# KiCad board ae89fa26-SparkFun_Thing_Plus_ESP32-S3_panelized.kicad_pcb (continued)
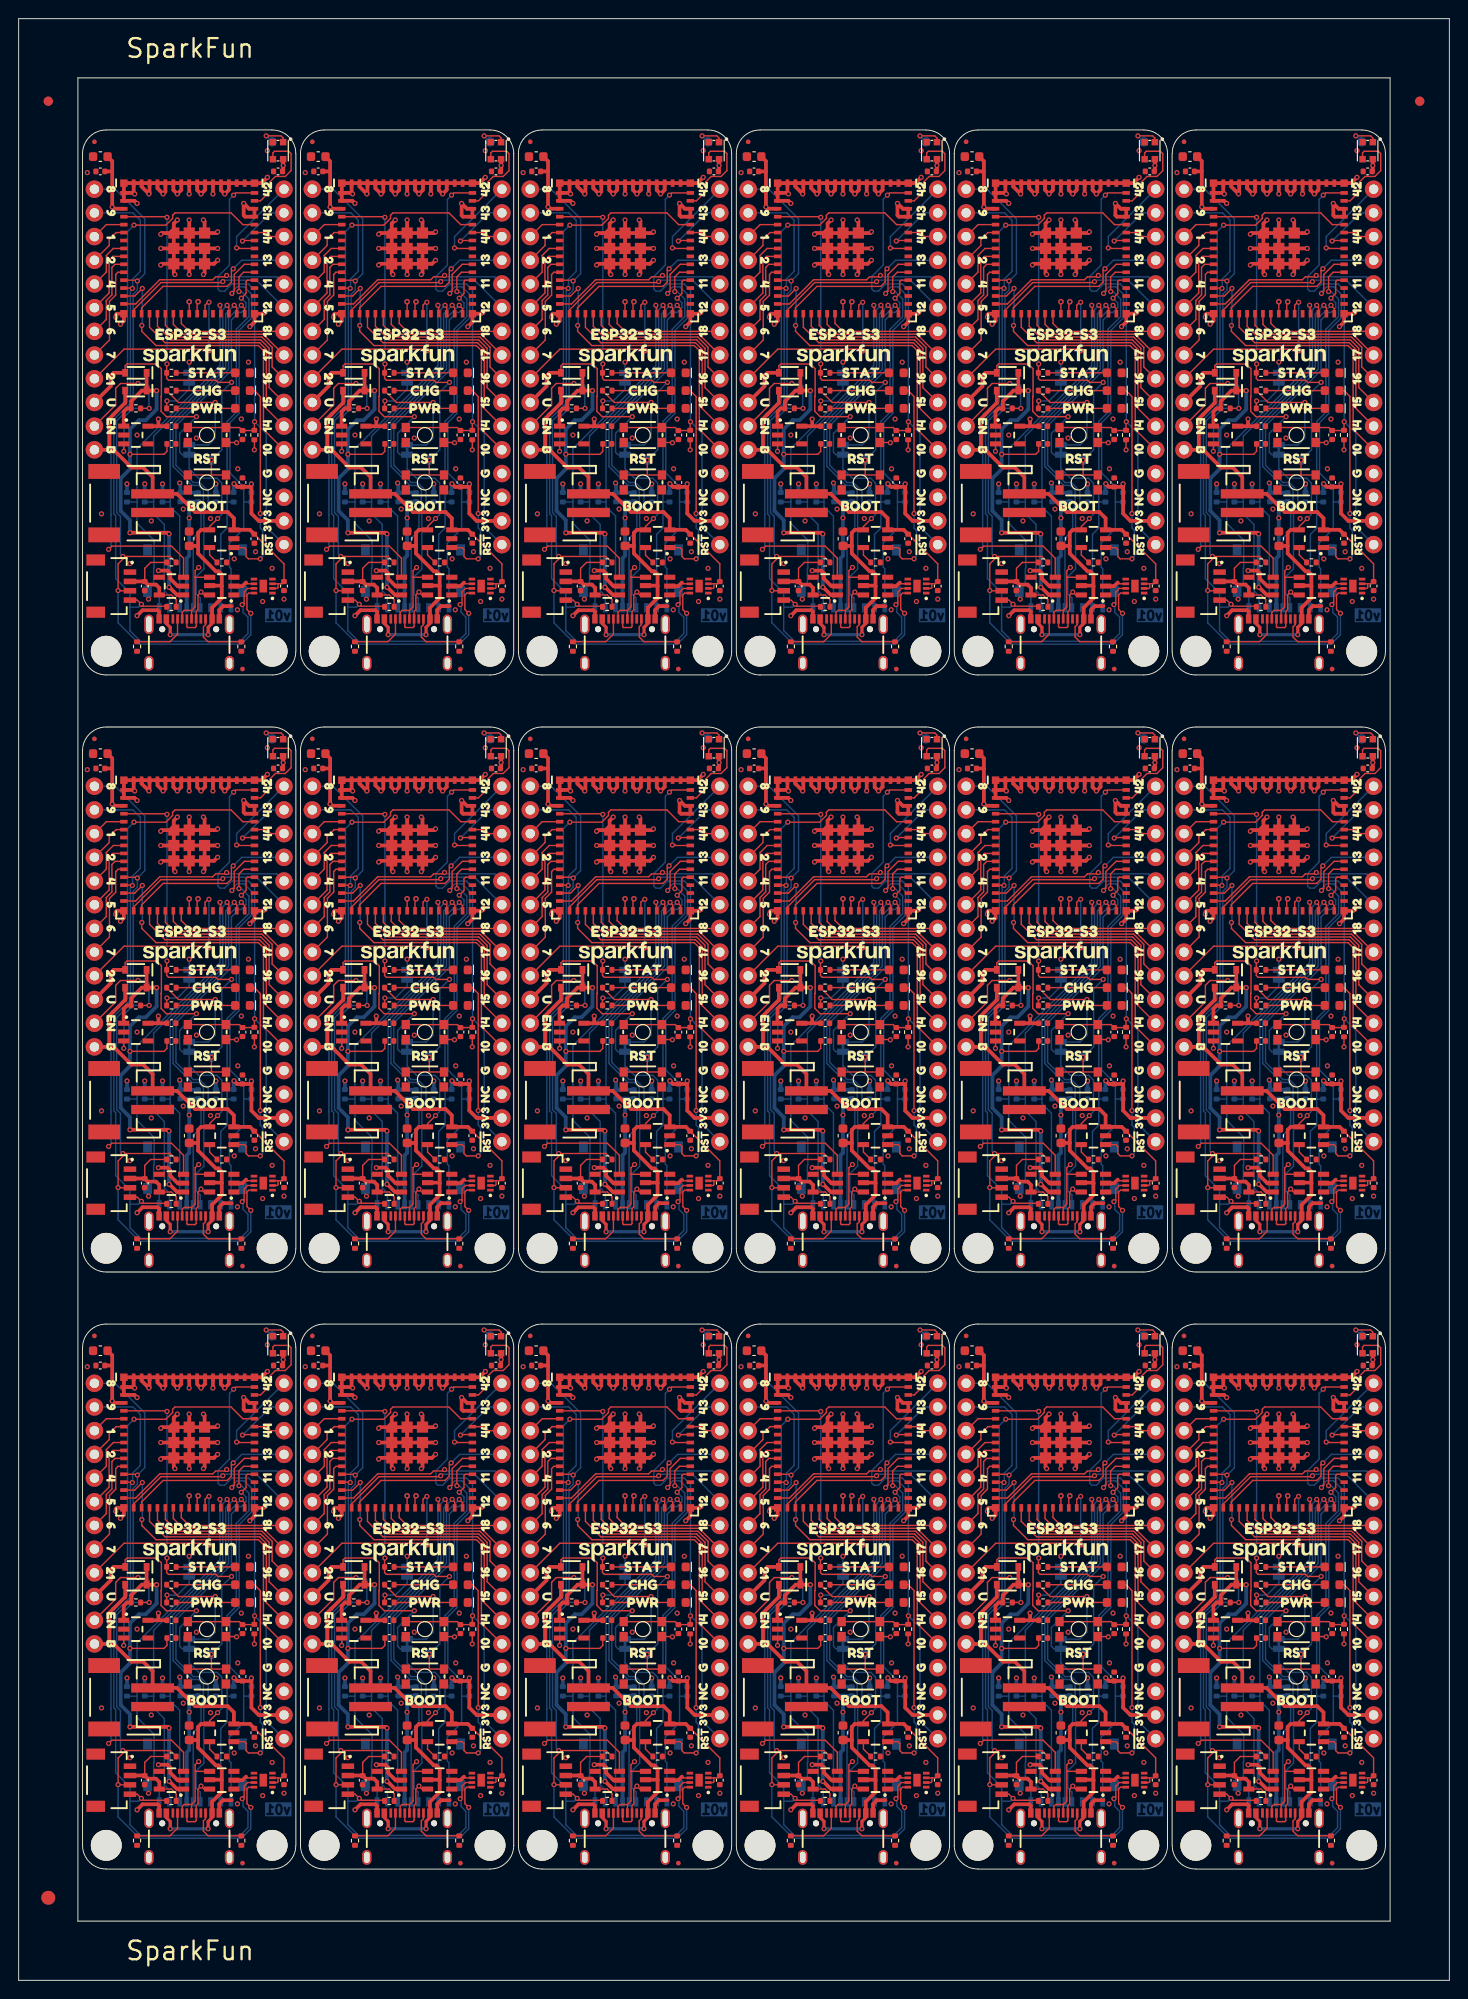
[diagram p0: board, top side]
## Placement (name value [footprint] x y rotation side) (continued)
R3#5  10k  [R_0402_1005Metric]  23.04 94.98 270 bottom
R3#6  10k  [R_0402_1005Metric]  46.4 30.98 270 bottom
R3#7  10k  [R_0402_1005Metric]  46.4 158.98 270 bottom
R3#8  10k  [R_0402_1005Metric]  93.12 30.98 270 bottom
R3#9  10k  [R_0402_1005Metric]  93.12 158.98 270 bottom
R3#10  10k  [R_0402_1005Metric]  69.76 158.98 270 bottom
R3#11  10k  [R_0402_1005Metric]  46.4 94.98 270 bottom
R3#12  10k  [R_0402_1005Metric]  23.04 158.98 270 bottom
R3#13  10k  [R_0402_1005Metric]  116.48 30.98 270 bottom
R3#14  10k  [R_0402_1005Metric]  93.12 94.98 270 bottom
R3#15  10k  [R_0402_1005Metric]  116.48 94.98 270 bottom
R3#16  10k  [R_0402_1005Metric]  116.48 158.98 270 bottom
R3#17  10k  [R_0402_1005Metric]  139.84 94.98 270 bottom
R3#18  10k  [R_0402_1005Metric]  23.04 30.98 270 bottom
R4  10k  [R_0402_1005Metric]  71.67 30.98 270 bottom
R4#2  10k  [R_0402_1005Metric]  24.95 158.98 270 bottom
R4#3  10k  [R_0402_1005Metric]  48.31 158.98 270 bottom
R4#4  10k  [R_0402_1005Metric]  48.31 30.98 270 bottom
R4#5  10k  [R_0402_1005Metric]  24.95 94.98 270 bottom
R4#6  10k  [R_0402_1005Metric]  48.31 94.98 270 bottom
R4#7  10k  [R_0402_1005Metric]  71.67 94.98 270 bottom
R4#8  10k  [R_0402_1005Metric]  71.67 158.98 270 bottom
R4#9  10k  [R_0402_1005Metric]  95.03 30.98 270 bottom
R4#10  10k  [R_0402_1005Metric]  95.03 94.98 270 bottom
R4#11  10k  [R_0402_1005Metric]  118.39 30.98 270 bottom
R4#12  10k  [R_0402_1005Metric]  95.03 158.98 270 bottom
R4#13  10k  [R_0402_1005Metric]  118.39 94.98 270 bottom
R4#14  10k  [R_0402_1005Metric]  118.39 158.98 270 bottom
R4#15  10k  [R_0402_1005Metric]  141.75 30.98 270 bottom
R4#16  10k  [R_0402_1005Metric]  141.75 94.98 270 bottom
R4#17  10k  [R_0402_1005Metric]  141.75 158.98 270 bottom
R4#18  10k  [R_0402_1005Metric]  24.95 30.98 270 bottom
R5  10k  [R_0402_1005Metric]  11.61 94.98 270 bottom
R5#2  10k  [R_0402_1005Metric]  128.41 30.98 270 bottom
R5#3  10k  [R_0402_1005Metric]  11.61 158.98 270 bottom
R5#4  10k  [R_0402_1005Metric]  34.97 30.98 270 bottom
R5#5  10k  [R_0402_1005Metric]  34.97 158.98 270 bottom
R5#6  10k  [R_0402_1005Metric]  34.97 94.98 270 bottom
R5#7  10k  [R_0402_1005Metric]  58.33 30.98 270 bottom
R5#8  10k  [R_0402_1005Metric]  58.33 158.98 270 bottom
R5#9  10k  [R_0402_1005Metric]  105.05 30.98 270 bottom
R5#10  10k  [R_0402_1005Metric]  105.05 158.98 270 bottom
R5#11  10k  [R_0402_1005Metric]  58.33 94.98 270 bottom
R5#12  10k  [R_0402_1005Metric]  81.69 94.98 270 bottom
R5#13  10k  [R_0402_1005Metric]  81.69 158.98 270 bottom
R5#14  10k  [R_0402_1005Metric]  105.05 94.98 270 bottom
R5#15  10k  [R_0402_1005Metric]  81.69 30.98 270 bottom
R5#16  10k  [R_0402_1005Metric]  128.41 158.98 270 bottom
R5#17  10k  [R_0402_1005Metric]  128.41 94.98 270 bottom
R5#18  10k  [R_0402_1005Metric]  11.61 30.98 270 bottom
R6  10k  [R_0402_1005Metric]  106.96 158.98 270 bottom
R6#2  10k  [R_0402_1005Metric]  130.32 94.98 270 bottom
R6#3  10k  [R_0402_1005Metric]  83.6 30.98 270 bottom
R6#4  10k  [R_0402_1005Metric]  36.88 158.98 270 bottom
R6#5  10k  [R_0402_1005Metric]  130.32 158.98 270 bottom
R6#6  10k  [R_0402_1005Metric]  60.24 94.98 270 bottom
R6#7  10k  [R_0402_1005Metric]  106.96 30.98 270 bottom
R6#8  10k  [R_0402_1005Metric]  130.32 30.98 270 bottom
R6#9  10k  [R_0402_1005Metric]  83.6 94.98 270 bottom
R6#10  10k  [R_0402_1005Metric]  60.24 30.98 270 bottom
R6#11  10k  [R_0402_1005Metric]  60.24 158.98 270 bottom
R6#12  10k  [R_0402_1005Metric]  106.96 94.98 270 bottom
R6#13  10k  [R_0402_1005Metric]  83.6 158.98 270 bottom
R6#14  10k  [R_0402_1005Metric]  13.52 158.98 270 bottom
R6#15  10k  [R_0402_1005Metric]  36.88 94.98 270 bottom
R6#16  10k  [R_0402_1005Metric]  13.52 94.98 270 bottom
R6#17  10k  [R_0402_1005Metric]  36.88 30.98 270 bottom
R6#18  10k  [R_0402_1005Metric]  13.52 30.98 270 bottom
R7  330  [R_0402_1005Metric]  86.46 44.32 0 top
R7#2  330  [R_0402_1005Metric]  63.09 108.32 0 top
R7#3  330  [R_0402_1005Metric]  63.09 172.32 0 top
R7#4  330  [R_0402_1005Metric]  16.38 172.32 0 top
R7#5  330  [R_0402_1005Metric]  39.74 172.32 0 top
R7#6  330  [R_0402_1005Metric]  86.46 108.32 0 top
R7#7  330  [R_0402_1005Metric]  109.81 44.32 0 top
R7#8  330  [R_0402_1005Metric]  16.38 108.32 0 top
R7#9  330  [R_0402_1005Metric]  39.74 108.32 0 top
R7#10  330  [R_0402_1005Metric]  39.74 44.32 0 top
R7#11  330  [R_0402_1005Metric]  63.09 44.32 0 top
R7#12  330  [R_0402_1005Metric]  109.81 108.32 0 top
R7#13  330  [R_0402_1005Metric]  133.18 44.32 0 top
R7#14  330  [R_0402_1005Metric]  86.46 172.32 0 top
R7#15  330  [R_0402_1005Metric]  109.81 172.32 0 top
R7#16  330  [R_0402_1005Metric]  133.18 108.32 0 top
R7#17  330  [R_0402_1005Metric]  133.18 172.32 0 top
R7#18  330  [R_0402_1005Metric]  16.38 44.32 0 top
R8  10k  [R_0402_1005Metric]  25.27 165.65 90 top
R8#2  10k  [R_0402_1005Metric]  95.34 37.65 90 top
R8#3  10k  [R_0402_1005Metric]  25.27 101.65 90 top
R8#4  10k  [R_0402_1005Metric]  48.62 37.65 90 top
R8#5  10k  [R_0402_1005Metric]  48.62 101.65 90 top
R8#6  10k  [R_0402_1005Metric]  48.62 165.65 90 top
R8#7  10k  [R_0402_1005Metric]  71.99 37.65 90 top
R8#8  10k  [R_0402_1005Metric]  71.99 101.65 90 top
R8#9  10k  [R_0402_1005Metric]  71.99 165.65 90 top
R8#10  10k  [R_0402_1005Metric]  142.06 165.65 90 top
R8#11  10k  [R_0402_1005Metric]  118.71 101.65 90 top
R8#12  10k  [R_0402_1005Metric]  118.71 37.65 90 top
R8#13  10k  [R_0402_1005Metric]  142.06 37.65 90 top
R8#14  10k  [R_0402_1005Metric]  142.06 101.65 90 top
R8#15  10k  [R_0402_1005Metric]  95.34 101.65 90 top
R8#16  10k  [R_0402_1005Metric]  95.34 165.65 90 top
R8#17  10k  [R_0402_1005Metric]  118.71 165.65 90 top
R8#18  10k  [R_0402_1005Metric]  25.27 37.65 90 top
R9  4.7k  [R_0402_1005Metric]  109.81 104.51 0 top
R9#2  4.7k  [R_0402_1005Metric]  86.46 40.51 0 top
R9#3  4.7k  [R_0402_1005Metric]  133.18 40.51 0 top
R9#4  4.7k  [R_0402_1005Metric]  39.74 168.51 0 top
R9#5  4.7k  [R_0402_1005Metric]  39.74 40.51 0 top
R9#6  4.7k  [R_0402_1005Metric]  63.09 168.51 0 top
R9#7  4.7k  [R_0402_1005Metric]  109.81 40.51 0 top
R9#8  4.7k  [R_0402_1005Metric]  86.46 104.51 0 top
R9#9  4.7k  [R_0402_1005Metric]  109.81 168.51 0 top
R9#10  4.7k  [R_0402_1005Metric]  133.18 168.51 0 top
R9#11  4.7k  [R_0402_1005Metric]  16.38 104.51 0 top
R9#12  4.7k  [R_0402_1005Metric]  16.38 168.51 0 top
R9#13  4.7k  [R_0402_1005Metric]  39.74 104.51 0 top
R9#14  4.7k  [R_0402_1005Metric]  133.18 104.51 0 top
R9#15  4.7k  [R_0402_1005Metric]  63.09 40.51 0 top
R9#16  4.7k  [R_0402_1005Metric]  63.09 104.51 0 top
R9#17  4.7k  [R_0402_1005Metric]  86.46 168.51 0 top
R9#18  4.7k  [R_0402_1005Metric]  16.38 40.51 0 top
R10  5.1k  [R_0402_1005Metric]  70.59 142.98 90 top
R10#2  5.1k  [R_0402_1005Metric]  70.59 14.98 90 top
R10#3  5.1k  [R_0402_1005Metric]  140.67 14.98 90 top
R10#4  5.1k  [R_0402_1005Metric]  93.95 14.98 90 top
R10#5  5.1k  [R_0402_1005Metric]  23.87 142.98 90 top
R10#6  5.1k  [R_0402_1005Metric]  47.23 78.98 90 top
R10#7  5.1k  [R_0402_1005Metric]  93.95 78.98 90 top
R10#8  5.1k  [R_0402_1005Metric]  140.67 78.98 90 top
R10#9  5.1k  [R_0402_1005Metric]  140.67 142.98 90 top
R10#10  5.1k  [R_0402_1005Metric]  23.87 78.98 90 top
R10#11  5.1k  [R_0402_1005Metric]  47.23 14.98 90 top
R10#12  5.1k  [R_0402_1005Metric]  70.59 78.98 90 top
R10#13  5.1k  [R_0402_1005Metric]  117.31 78.98 90 top
R10#14  5.1k  [R_0402_1005Metric]  47.23 142.98 90 top
R10#15  5.1k  [R_0402_1005Metric]  93.95 142.98 90 top
R10#16  5.1k  [R_0402_1005Metric]  117.31 142.98 90 top
R10#17  5.1k  [R_0402_1005Metric]  117.31 14.98 90 top
R10#18  5.1k  [R_0402_1005Metric]  23.87 14.98 90 top
R11  5.1k  [R_0402_1005Metric]  129.49 142.98 270 top
R11#2  5.1k  [R_0402_1005Metric]  12.69 78.98 270 top
R11#3  5.1k  [R_0402_1005Metric]  59.41 142.98 270 top
R11#4  5.1k  [R_0402_1005Metric]  59.41 78.98 270 top
R11#5  5.1k  [R_0402_1005Metric]  106.13 78.98 270 top
R11#6  5.1k  [R_0402_1005Metric]  129.49 78.98 270 top
R11#7  5.1k  [R_0402_1005Metric]  82.77 14.98 270 top
R11#8  5.1k  [R_0402_1005Metric]  36.05 78.98 270 top
R11#9  5.1k  [R_0402_1005Metric]  106.13 14.98 270 top
R11#10  5.1k  [R_0402_1005Metric]  59.41 14.98 270 top
R11#11  5.1k  [R_0402_1005Metric]  36.05 14.98 270 top
R11#12  5.1k  [R_0402_1005Metric]  12.69 142.98 270 top
R11#13  5.1k  [R_0402_1005Metric]  82.77 78.98 270 top
R11#14  5.1k  [R_0402_1005Metric]  82.77 142.98 270 top
R11#15  5.1k  [R_0402_1005Metric]  106.13 142.98 270 top
R11#16  5.1k  [R_0402_1005Metric]  129.49 14.98 270 top
R11#17  5.1k  [R_0402_1005Metric]  36.05 142.98 270 top
R11#18  5.1k  [R_0402_1005Metric]  12.69 14.98 270 top
R12  2.2k  [R_0402_1005Metric]  16.38 19.23 180 top
R12#2  2.2k  [R_0402_1005Metric]  109.81 83.23 180 top
R12#3  2.2k  [R_0402_1005Metric]  133.18 147.23 180 top
R12#4  2.2k  [R_0402_1005Metric]  16.38 83.23 180 top
R12#5  2.2k  [R_0402_1005Metric]  63.09 147.23 180 top
R12#6  2.2k  [R_0402_1005Metric]  39.74 19.23 180 top
R12#7  2.2k  [R_0402_1005Metric]  63.09 19.23 180 top
R12#8  2.2k  [R_0402_1005Metric]  109.81 19.23 180 top
R12#9  2.2k  [R_0402_1005Metric]  86.46 19.23 180 top
R12#10  2.2k  [R_0402_1005Metric]  39.74 83.23 180 top
R12#11  2.2k  [R_0402_1005Metric]  109.81 147.23 180 top
R12#12  2.2k  [R_0402_1005Metric]  86.46 83.23 180 top
R12#13  2.2k  [R_0402_1005Metric]  63.09 83.23 180 top
R12#14  2.2k  [R_0402_1005Metric]  133.18 19.23 180 top
R12#15  2.2k  [R_0402_1005Metric]  16.38 147.23 180 top
R12#16  2.2k  [R_0402_1005Metric]  86.46 147.23 180 top
R12#17  2.2k  [R_0402_1005Metric]  39.74 147.23 180 top
R12#18  2.2k  [R_0402_1005Metric]  133.18 83.23 180 top
R13  100k  [R_0402_1005Metric]  12.56 104.51 0 top
R13#2  100k  [R_0402_1005Metric]  12.56 168.51 0 top
R13#3  100k  [R_0402_1005Metric]  35.93 40.51 0 top
R13#4  100k  [R_0402_1005Metric]  35.93 104.51 0 top
R13#5  100k  [R_0402_1005Metric]  35.93 168.51 0 top
R13#6  100k  [R_0402_1005Metric]  59.28 40.51 0 top
R13#7  100k  [R_0402_1005Metric]  59.28 104.51 0 top
R13#8  100k  [R_0402_1005Metric]  129.37 40.51 0 top
R13#9  100k  [R_0402_1005Metric]  59.28 168.51 0 top
R13#10  100k  [R_0402_1005Metric]  82.65 168.51 0 top
R13#11  100k  [R_0402_1005Metric]  129.37 168.51 0 top
R13#12  100k  [R_0402_1005Metric]  106 104.51 0 top
R13#13  100k  [R_0402_1005Metric]  129.37 104.51 0 top
R13#14  100k  [R_0402_1005Metric]  82.65 40.51 0 top
R13#15  100k  [R_0402_1005Metric]  106 168.51 0 top
R13#16  100k  [R_0402_1005Metric]  82.65 104.51 0 top
R13#17  100k  [R_0402_1005Metric]  106 40.51 0 top
R13#18  100k  [R_0402_1005Metric]  12.56 40.51 0 top
R14  1k  [R_0402_1005Metric]  63.09 170.41 180 top
R14#2  1k  [R_0402_1005Metric]  16.38 170.41 180 top
R14#3  1k  [R_0402_1005Metric]  39.74 42.41 180 top
R14#4  1k  [R_0402_1005Metric]  39.74 106.41 180 top
R14#5  1k  [R_0402_1005Metric]  86.46 42.41 180 top
R14#6  1k  [R_0402_1005Metric]  86.46 106.41 180 top
R14#7  1k  [R_0402_1005Metric]  63.09 42.41 180 top
R14#8  1k  [R_0402_1005Metric]  63.09 106.41 180 top
R14#9  1k  [R_0402_1005Metric]  86.46 170.41 180 top
R14#10  1k  [R_0402_1005Metric]  109.81 42.41 180 top
R14#11  1k  [R_0402_1005Metric]  109.81 106.41 180 top
R14#12  1k  [R_0402_1005Metric]  109.81 170.41 180 top
R14#13  1k  [R_0402_1005Metric]  133.18 42.41 180 top
R14#14  1k  [R_0402_1005Metric]  133.18 106.41 180 top
R14#15  1k  [R_0402_1005Metric]  133.18 170.41 180 top
R14#16  1k  [R_0402_1005Metric]  39.74 170.41 180 top
R14#17  1k  [R_0402_1005Metric]  16.38 106.41 180 top
R14#18  1k  [R_0402_1005Metric]  16.38 42.41 180 top
R15  2.2k  [R_0402_1005Metric]  16.38 24 0 top
R15#2  2.2k  [R_0402_1005Metric]  133.18 24 0 top
R15#3  2.2k  [R_0402_1005Metric]  109.81 88 0 top
R15#4  2.2k  [R_0402_1005Metric]  133.18 88 0 top
R15#5  2.2k  [R_0402_1005Metric]  109.81 152 0 top
R15#6  2.2k  [R_0402_1005Metric]  133.18 152 0 top
R15#7  2.2k  [R_0402_1005Metric]  39.74 88 0 top
R15#8  2.2k  [R_0402_1005Metric]  86.46 24 0 top
R15#9  2.2k  [R_0402_1005Metric]  16.38 88 0 top
R15#10  2.2k  [R_0402_1005Metric]  16.38 152 0 top
R15#11  2.2k  [R_0402_1005Metric]  39.74 24 0 top
R15#12  2.2k  [R_0402_1005Metric]  39.74 152 0 top
R15#13  2.2k  [R_0402_1005Metric]  63.09 24 0 top
R15#14  2.2k  [R_0402_1005Metric]  86.46 88 0 top
R15#15  2.2k  [R_0402_1005Metric]  63.09 88 0 top
R15#16  2.2k  [R_0402_1005Metric]  63.09 152 0 top
R15#17  2.2k  [R_0402_1005Metric]  86.46 152 0 top
R15#18  2.2k  [R_0402_1005Metric]  109.81 24 0 top
R16  2.0k  [R_0402_1005Metric]  91.85 88 0 top
R16#2  2.0k  [R_0402_1005Metric]  115.21 152 0 top
R16#3  2.0k  [R_0402_1005Metric]  138.57 24 0 top
R16#4  2.0k  [R_0402_1005Metric]  68.49 24 0 top
R16#5  2.0k  [R_0402_1005Metric]  68.49 88 0 top
R16#6  2.0k  [R_0402_1005Metric]  45.13 88 0 top
R16#7  2.0k  [R_0402_1005Metric]  91.85 152 0 top
R16#8  2.0k  [R_0402_1005Metric]  45.13 152 0 top
R16#9  2.0k  [R_0402_1005Metric]  115.21 24 0 top
R16#10  2.0k  [R_0402_1005Metric]  115.21 88 0 top
R16#11  2.0k  [R_0402_1005Metric]  68.49 152 0 top
R16#12  2.0k  [R_0402_1005Metric]  45.13 24 0 top
R16#13  2.0k  [R_0402_1005Metric]  91.85 24 0 top
R16#14  2.0k  [R_0402_1005Metric]  21.77 88 0 top
R16#15  2.0k  [R_0402_1005Metric]  21.77 152 0 top
R16#16  2.0k  [R_0402_1005Metric]  138.57 152 0 top
R16#17  2.0k  [R_0402_1005Metric]  138.57 88 0 top
R16#18  2.0k  [R_0402_1005Metric]  21.77 24 0 top
Ref**  Val**  [OSHW_Logo_2.5mm]  8.75 158.98 180 bottom
Ref**#2  Val**  [OSHW_Logo_2.5mm]  8.75 94.98 180 bottom
Ref**#3  Val**  [OSHW_Logo_2.5mm]  78.84 94.98 180 bottom
Ref**#4  Val**  [OSHW_Logo_2.5mm]  102.19 30.98 180 bottom
Ref**#5  Val**  [OSHW_Logo_2.5mm]  55.47 94.98 180 bottom
Ref**#6  Val**  [OSHW_Logo_2.5mm]  78.84 30.98 180 bottom
Ref**#7  Val**  [OSHW_Logo_2.5mm]  32.11 158.98 180 bottom
Ref**#8  Val**  [OSHW_Logo_2.5mm]  55.47 30.98 180 bottom
Ref**#9  Val**  [OSHW_Logo_2.5mm]  32.11 30.98 180 bottom
Ref**#10  Val**  [OSHW_Logo_2.5mm]  102.19 158.98 180 bottom
Ref**#11  Val**  [OSHW_Logo_2.5mm]  125.56 30.98 180 bottom
Ref**#12  Val**  [OSHW_Logo_2.5mm]  32.11 94.98 180 bottom
Ref**#13  Val**  [OSHW_Logo_2.5mm]  102.19 94.98 180 bottom
Ref**#14  Val**  [OSHW_Logo_2.5mm]  125.56 94.98 180 bottom
Ref**#15  Val**  [OSHW_Logo_2.5mm]  78.84 158.98 180 bottom
Ref**#16  Val**  [OSHW_Logo_2.5mm]  125.56 158.98 180 bottom
Ref**#17  Val**  [OSHW_Logo_2.5mm]  55.47 158.98 180 bottom
Ref**#18  Val**  [OSHW_Logo_2.5mm]  8.75 30.98 180 bottom
ST1  Stand_off  [STAND-OFF]  56.11 14.47 0 top
ST1#2  Stand_off  [STAND-OFF]  102.83 14.47 0 top
ST1#3  Stand_off  [STAND-OFF]  9.39 142.47 0 top
ST1#4  Stand_off  [STAND-OFF]  9.39 78.47 0 top
ST1#5  Stand_off  [STAND-OFF]  32.75 78.47 0 top
ST1#6  Stand_off  [STAND-OFF]  32.75 14.47 0 top
ST1#7  Stand_off  [STAND-OFF]  32.75 142.47 0 top
ST1#8  Stand_off  [STAND-OFF]  56.11 142.47 0 top
ST1#9  Stand_off  [STAND-OFF]  79.47 14.47 0 top
ST1#10  Stand_off  [STAND-OFF]  79.47 78.47 0 top
ST1#11  Stand_off  [STAND-OFF]  102.83 142.47 0 top
ST1#12  Stand_off  [STAND-OFF]  56.11 78.47 0 top
ST1#13  Stand_off  [STAND-OFF]  102.83 78.47 0 top
ST1#14  Stand_off  [STAND-OFF]  126.19 14.47 0 top
ST1#15  Stand_off  [STAND-OFF]  79.47 142.47 0 top
ST1#16  Stand_off  [STAND-OFF]  126.19 78.47 0 top
ST1#17  Stand_off  [STAND-OFF]  126.19 142.47 0 top
ST1#18  Stand_off  [STAND-OFF]  9.39 14.47 0 top
ST3  Stand_off  [STAND-OFF]  50.53 14.47 0 top
ST3#2  Stand_off  [STAND-OFF]  50.53 142.47 0 top
ST3#3  Stand_off  [STAND-OFF]  73.89 78.47 0 top
ST3#4  Stand_off  [STAND-OFF]  27.17 142.47 0 top
ST3#5  Stand_off  [STAND-OFF]  73.89 142.47 0 top
ST3#6  Stand_off  [STAND-OFF]  27.17 78.47 0 top
ST3#7  Stand_off  [STAND-OFF]  50.53 78.47 0 top
ST3#8  Stand_off  [STAND-OFF]  73.89 14.47 0 top
ST3#9  Stand_off  [STAND-OFF]  120.61 14.47 0 top
ST3#10  Stand_off  [STAND-OFF]  120.61 142.47 0 top
ST3#11  Stand_off  [STAND-OFF]  120.61 78.47 0 top
ST3#12  Stand_off  [STAND-OFF]  143.97 142.47 0 top
ST3#13  Stand_off  [STAND-OFF]  143.97 14.47 0 top
ST3#14  Stand_off  [STAND-OFF]  143.97 78.47 0 top
ST3#15  Stand_off  [STAND-OFF]  97.25 142.47 0 top
ST3#16  Stand_off  [STAND-OFF]  97.25 78.47 0 top
ST3#17  Stand_off  [STAND-OFF]  97.25 14.47 0 top
ST3#18  Stand_off  [STAND-OFF]  27.17 14.47 0 top
SW1  4.6x2.8mm  [Momentary_SMD_4.6x2.8mm]  43.54 32.57 0 top
SW1#2  4.6x2.8mm  [Momentary_SMD_4.6x2.8mm]  43.54 160.57 0 top
SW1#3  4.6x2.8mm  [Momentary_SMD_4.6x2.8mm]  20.19 96.57 0 top
SW1#4  4.6x2.8mm  [Momentary_SMD_4.6x2.8mm]  20.19 160.57 0 top
SW1#5  4.6x2.8mm  [Momentary_SMD_4.6x2.8mm]  43.54 96.57 0 top
SW1#6  4.6x2.8mm  [Momentary_SMD_4.6x2.8mm]  90.26 96.57 0 top
SW1#7  4.6x2.8mm  [Momentary_SMD_4.6x2.8mm]  113.62 32.57 0 top
SW1#8  4.6x2.8mm  [Momentary_SMD_4.6x2.8mm]  136.99 32.57 0 top
SW1#9  4.6x2.8mm  [Momentary_SMD_4.6x2.8mm]  66.91 96.57 0 top
SW1#10  4.6x2.8mm  [Momentary_SMD_4.6x2.8mm]  66.91 32.57 0 top
SW1#11  4.6x2.8mm  [Momentary_SMD_4.6x2.8mm]  90.26 32.57 0 top
SW1#12  4.6x2.8mm  [Momentary_SMD_4.6x2.8mm]  113.62 96.57 0 top
SW1#13  4.6x2.8mm  [Momentary_SMD_4.6x2.8mm]  113.62 160.57 0 top
SW1#14  4.6x2.8mm  [Momentary_SMD_4.6x2.8mm]  90.26 160.57 0 top
SW1#15  4.6x2.8mm  [Momentary_SMD_4.6x2.8mm]  66.91 160.57 0 top
SW1#16  4.6x2.8mm  [Momentary_SMD_4.6x2.8mm]  136.99 96.57 0 top
SW1#17  4.6x2.8mm  [Momentary_SMD_4.6x2.8mm]  136.99 160.57 0 top
SW1#18  4.6x2.8mm  [Momentary_SMD_4.6x2.8mm]  20.19 32.57 0 top
SW2  4.6x2.8mm  [Momentary_SMD_4.6x2.8mm]  20.19 165.65 0 top
SW2#2  4.6x2.8mm  [Momentary_SMD_4.6x2.8mm]  66.91 165.65 0 top
SW2#3  4.6x2.8mm  [Momentary_SMD_4.6x2.8mm]  90.26 165.65 0 top
SW2#4  4.6x2.8mm  [Momentary_SMD_4.6x2.8mm]  20.19 101.65 0 top
SW2#5  4.6x2.8mm  [Momentary_SMD_4.6x2.8mm]  43.54 37.65 0 top
SW2#6  4.6x2.8mm  [Momentary_SMD_4.6x2.8mm]  90.26 37.65 0 top
SW2#7  4.6x2.8mm  [Momentary_SMD_4.6x2.8mm]  90.26 101.65 0 top
SW2#8  4.6x2.8mm  [Momentary_SMD_4.6x2.8mm]  43.54 165.65 0 top
SW2#9  4.6x2.8mm  [Momentary_SMD_4.6x2.8mm]  66.91 37.65 0 top
SW2#10  4.6x2.8mm  [Momentary_SMD_4.6x2.8mm]  66.91 101.65 0 top
SW2#11  4.6x2.8mm  [Momentary_SMD_4.6x2.8mm]  43.54 101.65 0 top
SW2#12  4.6x2.8mm  [Momentary_SMD_4.6x2.8mm]  113.62 37.65 0 top
SW2#13  4.6x2.8mm  [Momentary_SMD_4.6x2.8mm]  136.99 101.65 0 top
SW2#14  4.6x2.8mm  [Momentary_SMD_4.6x2.8mm]  136.99 37.65 0 top
SW2#15  4.6x2.8mm  [Momentary_SMD_4.6x2.8mm]  136.99 165.65 0 top
SW2#16  4.6x2.8mm  [Momentary_SMD_4.6x2.8mm]  113.62 101.65 0 top
SW2#17  4.6x2.8mm  [Momentary_SMD_4.6x2.8mm]  113.62 165.65 0 top
SW2#18  4.6x2.8mm  [Momentary_SMD_4.6x2.8mm]  20.19 37.65 0 top
TP1  1.0mm  [TestPoint-1.0mm]  97.25 69.08 180 bottom
TP1#2  1.0mm  [TestPoint-1.0mm]  120.61 69.08 180 bottom
TP1#3  1.0mm  [TestPoint-1.0mm]  50.53 133.08 180 bottom
TP1#4  1.0mm  [TestPoint-1.0mm]  27.17 133.08 180 bottom
TP1#5  1.0mm  [TestPoint-1.0mm]  27.17 197.08 180 bottom
TP1#6  1.0mm  [TestPoint-1.0mm]  50.53 69.08 180 bottom
TP1#7  1.0mm  [TestPoint-1.0mm]  73.89 197.08 180 bottom
TP1#8  1.0mm  [TestPoint-1.0mm]  120.61 133.08 180 bottom
TP1#9  1.0mm  [TestPoint-1.0mm]  73.89 133.08 180 bottom
TP1#10  1.0mm  [TestPoint-1.0mm]  97.25 133.08 180 bottom
TP1#11  1.0mm  [TestPoint-1.0mm]  73.89 69.08 180 bottom
TP1#12  1.0mm  [TestPoint-1.0mm]  143.97 133.08 180 bottom
TP1#13  1.0mm  [TestPoint-1.0mm]  50.53 197.08 180 bottom
TP1#14  1.0mm  [TestPoint-1.0mm]  143.97 69.08 180 bottom
TP1#15  1.0mm  [TestPoint-1.0mm]  143.97 197.08 180 bottom
TP1#16  1.0mm  [TestPoint-1.0mm]  120.61 197.08 180 bottom
TP1#17  1.0mm  [TestPoint-1.0mm]  97.25 197.08 180 bottom
TP1#18  1.0mm  [TestPoint-1.0mm]  27.17 69.08 180 bottom
TP2  1.0mm  [TestPoint-1.0mm]  90.74 162.95 180 bottom
TP2#2  1.0mm  [TestPoint-1.0mm]  44.02 98.95 180 bottom
TP2#3  1.0mm  [TestPoint-1.0mm]  90.74 98.95 180 bottom
TP2#4  1.0mm  [TestPoint-1.0mm]  67.38 98.95 180 bottom
TP2#5  1.0mm  [TestPoint-1.0mm]  67.38 34.95 180 bottom
TP2#6  1.0mm  [TestPoint-1.0mm]  20.66 162.95 180 bottom
TP2#7  1.0mm  [TestPoint-1.0mm]  44.02 34.95 180 bottom
TP2#8  1.0mm  [TestPoint-1.0mm]  67.38 162.95 180 bottom
TP2#9  1.0mm  [TestPoint-1.0mm]  44.02 162.95 180 bottom
TP2#10  1.0mm  [TestPoint-1.0mm]  114.1 162.95 180 bottom
TP2#11  1.0mm  [TestPoint-1.0mm]  90.74 34.95 180 bottom
TP2#12  1.0mm  [TestPoint-1.0mm]  137.46 162.95 180 bottom
TP2#13  1.0mm  [TestPoint-1.0mm]  20.66 98.95 180 bottom
TP2#14  1.0mm  [TestPoint-1.0mm]  114.1 98.95 180 bottom
TP2#15  1.0mm  [TestPoint-1.0mm]  114.1 34.95 180 bottom
TP2#16  1.0mm  [TestPoint-1.0mm]  137.46 98.95 180 bottom
TP2#17  1.0mm  [TestPoint-1.0mm]  137.46 34.95 180 bottom
TP2#18  1.0mm  [TestPoint-1.0mm]  20.66 34.95 180 bottom
U1  AP2112K-3.3  [SOT23-5]  16.38 85.46 180 top
U1#2  AP2112K-3.3  [SOT23-5]  133.18 149.46 180 top
U1#3  AP2112K-3.3  [SOT23-5]  86.46 149.46 180 top
U1#4  AP2112K-3.3  [SOT23-5]  109.81 85.46 180 top
U1#5  AP2112K-3.3  [SOT23-5]  39.74 21.46 180 top
U1#6  AP2112K-3.3  [SOT23-5]  63.09 85.46 180 top
U1#7  AP2112K-3.3  [SOT23-5]  109.81 21.46 180 top
U1#8  AP2112K-3.3  [SOT23-5]  86.46 21.46 180 top
U1#9  AP2112K-3.3  [SOT23-5]  133.18 21.46 180 top
U1#10  AP2112K-3.3  [SOT23-5]  63.09 149.46 180 top
U1#11  AP2112K-3.3  [SOT23-5]  63.09 21.46 180 top
U1#12  AP2112K-3.3  [SOT23-5]  109.81 149.46 180 top
U1#13  AP2112K-3.3  [SOT23-5]  86.46 85.46 180 top
U1#14  AP2112K-3.3  [SOT23-5]  39.74 85.46 180 top
U1#15  AP2112K-3.3  [SOT23-5]  39.74 149.46 180 top
U1#16  AP2112K-3.3  [SOT23-5]  16.38 149.46 180 top
U1#17  AP2112K-3.3  [SOT23-5]  133.18 85.46 180 top
U1#18  AP2112K-3.3  [SOT23-5]  16.38 21.46 180 top
U2  TVS_ESD_USB  [SOT23-6]  45.13 21.46 180 top
U2#2  TVS_ESD_USB  [SOT23-6]  21.77 85.46 180 top
U2#3  TVS_ESD_USB  [SOT23-6]  21.77 149.46 180 top
U2#4  TVS_ESD_USB  [SOT23-6]  138.57 21.46 180 top
U2#5  TVS_ESD_USB  [SOT23-6]  68.49 21.46 180 top
U2#6  TVS_ESD_USB  [SOT23-6]  68.49 149.46 180 top
U2#7  TVS_ESD_USB  [SOT23-6]  138.57 85.46 180 top
U2#8  TVS_ESD_USB  [SOT23-6]  115.21 85.46 180 top
U2#9  TVS_ESD_USB  [SOT23-6]  91.85 85.46 180 top
U2#10  TVS_ESD_USB  [SOT23-6]  138.57 149.46 180 top
U2#11  TVS_ESD_USB  [SOT23-6]  91.85 21.46 180 top
U2#12  TVS_ESD_USB  [SOT23-6]  45.13 149.46 180 top
U2#13  TVS_ESD_USB  [SOT23-6]  115.21 149.46 180 top
U2#14  TVS_ESD_USB  [SOT23-6]  68.49 85.46 180 top
U2#15  TVS_ESD_USB  [SOT23-6]  115.21 21.46 180 top
U2#16  TVS_ESD_USB  [SOT23-6]  45.13 85.46 180 top
U2#17  TVS_ESD_USB  [SOT23-6]  91.85 149.46 180 top
U2#18  TVS_ESD_USB  [SOT23-6]  21.77 21.46 180 top
U3  ESP32-S3-MINI  [ESP32-MINI]  41.64 185.65 0 top
U3#2  ESP32-S3-MINI  [ESP32-MINI]  41.64 57.65 0 top
U3#3  ESP32-S3-MINI  [ESP32-MINI]  18.28 185.65 0 top
U3#4  ESP32-S3-MINI  [ESP32-MINI]  18.28 121.65 0 top
U3#5  ESP32-S3-MINI  [ESP32-MINI]  41.64 121.65 0 top
U3#6  ESP32-S3-MINI  [ESP32-MINI]  111.72 185.65 0 top
U3#7  ESP32-S3-MINI  [ESP32-MINI]  65 185.65 0 top
U3#8  ESP32-S3-MINI  [ESP32-MINI]  65 121.65 0 top
U3#9  ESP32-S3-MINI  [ESP32-MINI]  111.72 121.65 0 top
U3#10  ESP32-S3-MINI  [ESP32-MINI]  88.36 185.65 0 top
U3#11  ESP32-S3-MINI  [ESP32-MINI]  88.36 57.65 0 top
U3#12  ESP32-S3-MINI  [ESP32-MINI]  135.08 121.65 0 top
U3#13  ESP32-S3-MINI  [ESP32-MINI]  135.08 185.65 0 top
U3#14  ESP32-S3-MINI  [ESP32-MINI]  111.72 57.65 0 top
U3#15  ESP32-S3-MINI  [ESP32-MINI]  88.36 121.65 0 top
U3#16  ESP32-S3-MINI  [ESP32-MINI]  135.08 57.65 0 top
U3#17  ESP32-S3-MINI  [ESP32-MINI]  65 57.65 0 top
U3#18  ESP32-S3-MINI  [ESP32-MINI]  18.28 57.65 0 top
U4  MAX17048  [DFN-8]  49.58 85.46 90 top
U4#2  MAX17048  [DFN-8]  26.22 21.46 90 top
U4#3  MAX17048  [DFN-8]  26.22 149.46 90 top
U4#4  MAX17048  [DFN-8]  26.22 85.46 90 top
U4#5  MAX17048  [DFN-8]  49.58 21.46 90 top
U4#6  MAX17048  [DFN-8]  49.58 149.46 90 top
U4#7  MAX17048  [DFN-8]  143.02 21.46 90 top
U4#8  MAX17048  [DFN-8]  96.3 21.46 90 top
U4#9  MAX17048  [DFN-8]  119.66 85.46 90 top
U4#10  MAX17048  [DFN-8]  143.02 149.46 90 top
U4#11  MAX17048  [DFN-8]  119.66 149.46 90 top
U4#12  MAX17048  [DFN-8]  72.94 85.46 90 top
U4#13  MAX17048  [DFN-8]  72.94 21.46 90 top
U4#14  MAX17048  [DFN-8]  119.66 21.46 90 top
U4#15  MAX17048  [DFN-8]  143.02 85.46 90 top
U4#16  MAX17048  [DFN-8]  72.94 149.46 90 top
U4#17  MAX17048  [DFN-8]  96.3 149.46 90 top
U4#18  MAX17048  [DFN-8]  96.3 85.46 90 top
U5  MCP73831  [SOT23-5]  21.77 26.54 180 top
U5#2  MCP73831  [SOT23-5]  21.77 154.54 180 top
U5#3  MCP73831  [SOT23-5]  21.77 90.54 180 top
U5#4  MCP73831  [SOT23-5]  45.13 26.54 180 top
U5#5  MCP73831  [SOT23-5]  115.21 26.54 180 top
U5#6  MCP73831  [SOT23-5]  91.85 26.54 180 top
U5#7  MCP73831  [SOT23-5]  68.49 26.54 180 top
U5#8  MCP73831  [SOT23-5]  45.13 90.54 180 top
U5#9  MCP73831  [SOT23-5]  115.21 90.54 180 top
U5#10  MCP73831  [SOT23-5]  138.57 90.54 180 top
U5#11  MCP73831  [SOT23-5]  68.49 90.54 180 top
U5#12  MCP73831  [SOT23-5]  138.57 26.54 180 top
U5#13  MCP73831  [SOT23-5]  45.13 154.54 180 top
U5#14  MCP73831  [SOT23-5]  68.49 154.54 180 top
U5#15  MCP73831  [SOT23-5]  91.85 154.54 180 top
U5#16  MCP73831  [SOT23-5]  115.21 154.54 180 top
U5#17  MCP73831  [SOT23-5]  138.57 154.54 180 top
